# Altium PCB LimeNet-Micro_2v0.PcbDoc (part 8 of 11) (continued)
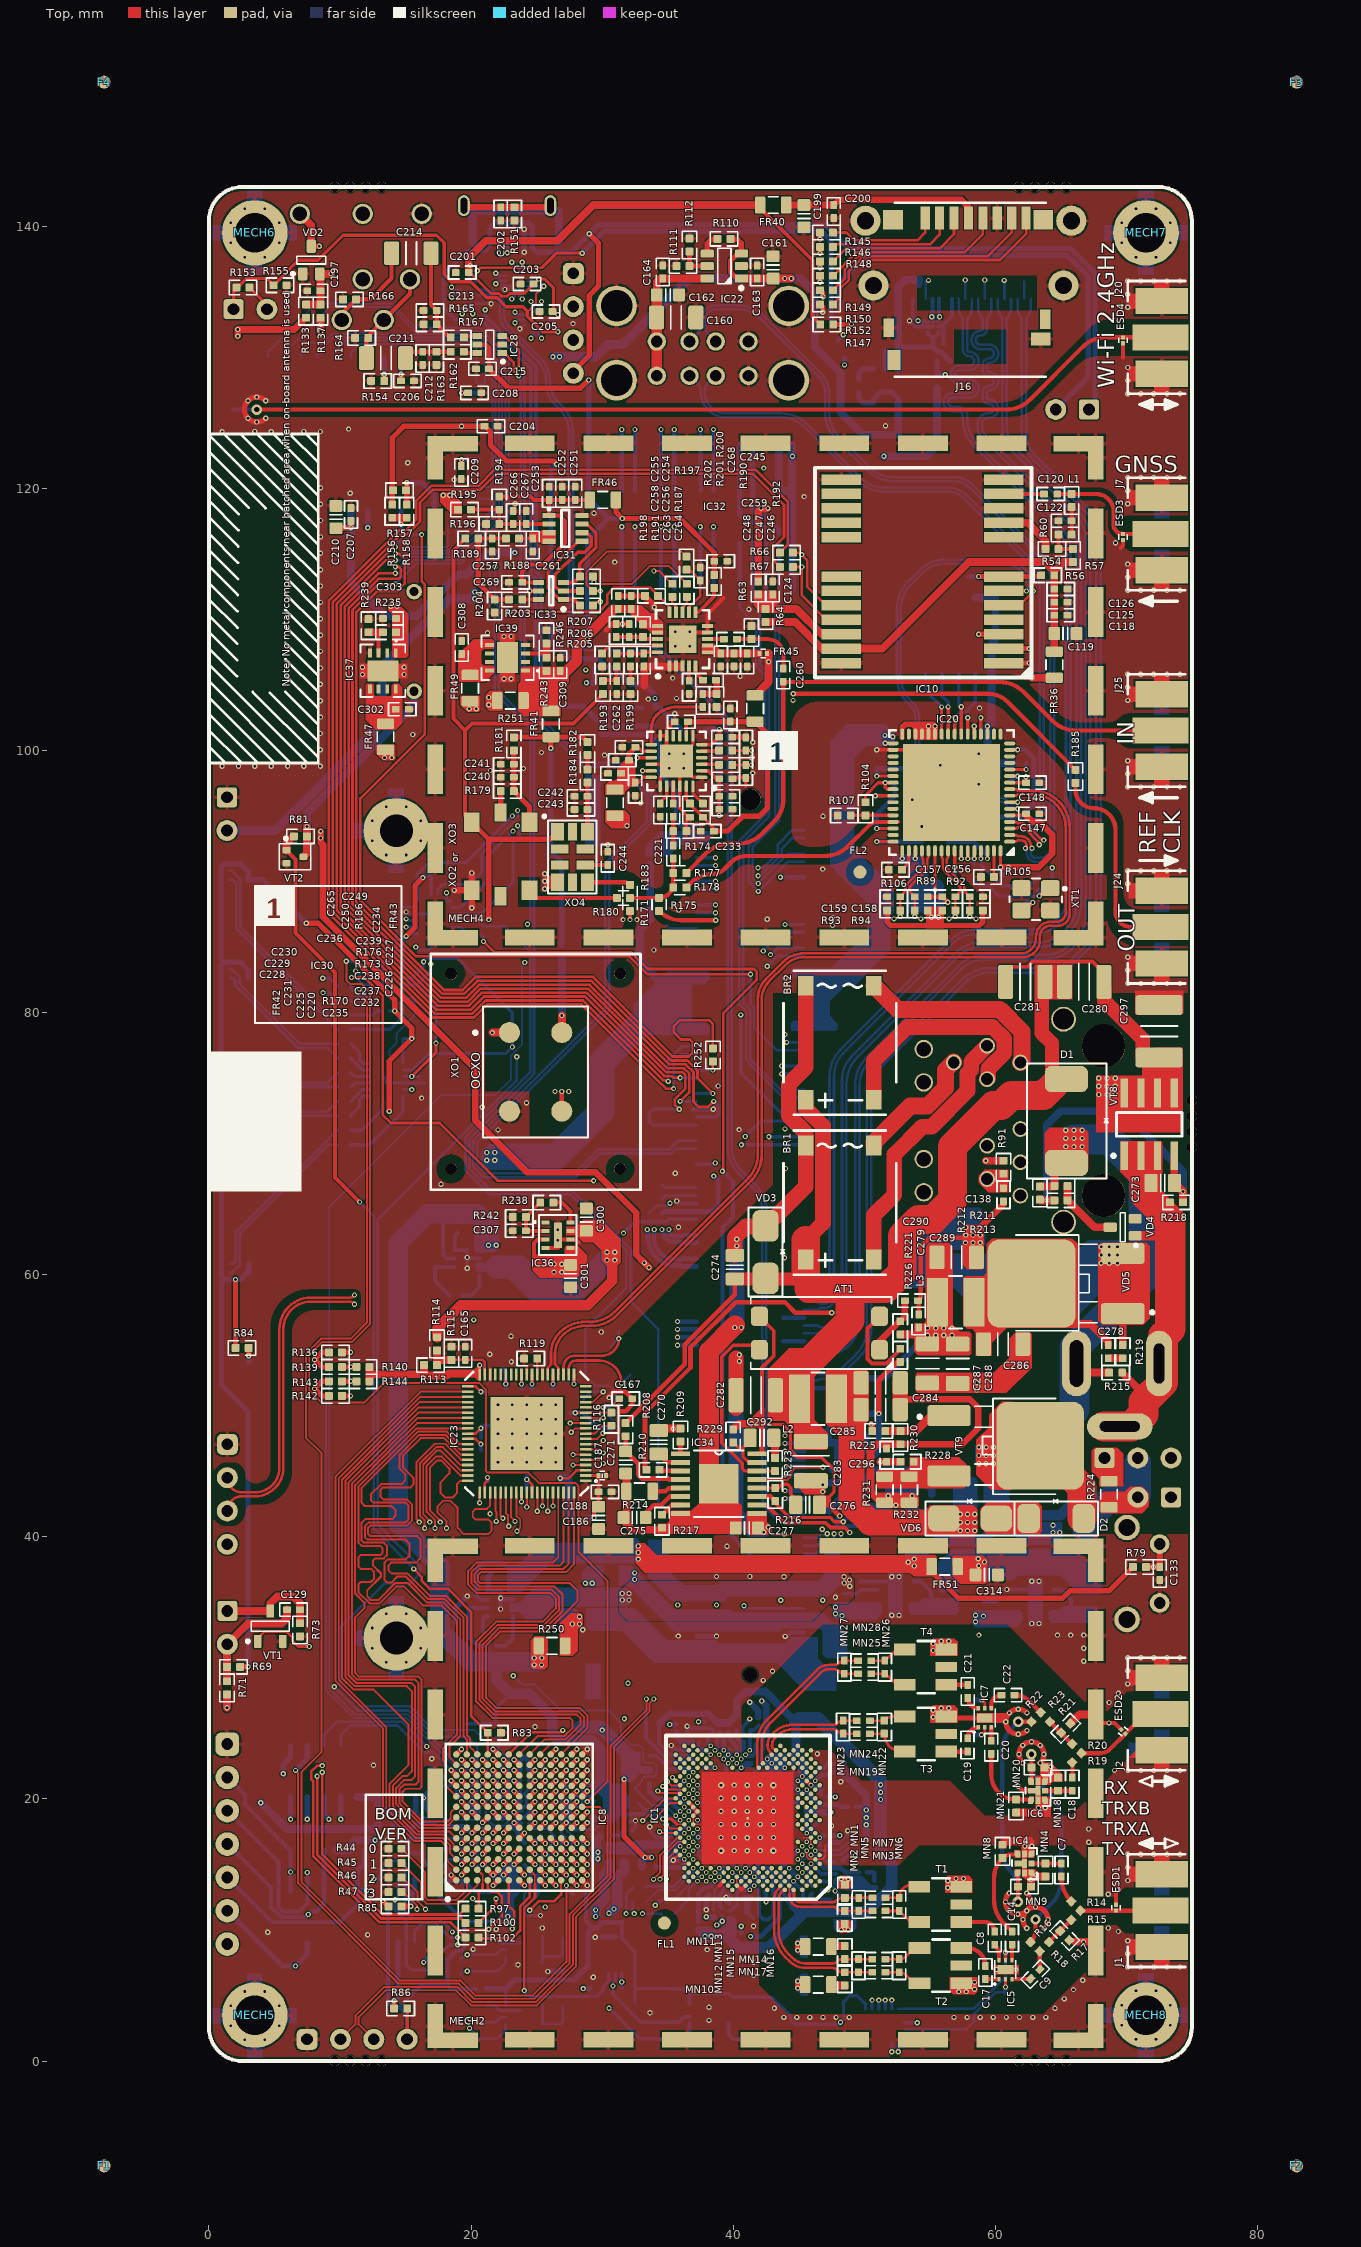
[diagram p0: Top view]
## Nets (pads, with @x,y where several pads share a name; then routed paths per layer and width w, separated by ;. In a path a pad name is that pad's centre, name@x,y a point inside that pad or via, vN(x,y) a via of type N, cw(c..) or ccw(c..) an arc to the next point about the centre after c; other vN are vias at no path point) (continued)
  L4 w0.1: v1(33.375,27.625) 33.375,28.175 40.074,34.874 40.074,40.399 41.775,42.1 44,42.1 44.35,42.45 44.35,48.117 39.475,52.992 39.475,65.55 41.4,67.475 41.4,73.625 v1(43.7,75.925)
  Bottom w0.25: v1(43.7,75.925) J13.51@45.4,75.925
RAPI_UART1_RX: J13.48 R66.1 | length 105.7
  Top w0.2: v1(35.45,74.2) 34.875,74.2 34.525,74.55 34.505,74.55 28.43,80.625 21.223,80.625 20.223,79.625 17.075,79.625 9.15,87.55 9.15,111.45 14.5,116.8 14.984,116.8 15.802,117.618 15.802,119.047 16.955,120.2 20.575,120.2 21.8,121.425 41.714,121.425 44.175,118.964 44.175,115.71 R66.1@43.565,115.1
  Bottom w0.2: v1(35.45,74.2) 35.45,76.25 36.025,76.825 J13.48@37.2,76.825
RAPI_UART1_TX: J13.46 R67.2 | length 105.2
  Top w0.2: v1(35.05,74.75) 34.95,74.85 34.629,74.85 28.554,80.925 21.099,80.925 20.099,79.925 17.199,79.925 9.45,87.674 9.45,111.326 14.624,116.5 15.108,116.5 16.102,117.494 16.102,118.923 17.079,119.9 20.7,119.9 21.925,121.125 41.489,121.125 43.875,118.739 43.875,116.3 43.065,115.49 43.065,114.5 R67.2@43.565,114
  Bottom w0.2: v1(35.05,74.75) 35.05,76.4 36.075,77.425 J13.46@37.2,77.425
RAPI_USB_D_N: IC24.2 J13.167 | length 108
  Bottom w0.2: IC24.2@20.575,134.75 21.009,134.75 ccw(c21.009,134.921) 21.13,134.8 21.325,134.8 cw(c21.325,133.925) 22.2,133.925 22.2,133.19 ccw(c23.564,133.19) 22.599,132.226 25,129.825 cw(c23.25,128.075) 25.725,128.075 ccw(c28.138,128.075) 26.432,126.368 26.728,126.072 cw(c24.932,124.276) 27.472,124.276 27.472,109.128 ccw(c28.95,109.128) 27.536,108.696 ccw(c28.95,109.128) 28.95,107.65 33.123,107.65 cw(c33.123,105.11) 34.568,107.199 cw(c33.123,105.11) 34.919,106.906 38.831,102.994 cw(c37.035,101.198) 39.575,101.198 39.575,69.746 ccw(c42.415,69.746) 40.407,67.738 41.481,66.664 cw(c39.685,64.868) 42.225,64.868 42.225,43.068 ccw(c43.805,43.068) 42.688,41.951 43.045,41.593 ccw(c43.814,42.362) 43.814,41.275 44.15,41.275 44.3,41.125 J13.167@45.4,41.125
RAPI_USB_D_P: IC24.1 J13.165 | length 108
  Bottom w0.2: IC24.1@20.525,135.15 21.009,135.15 cw(c21.009,134.979) 21.13,135.1 21.325,135.1 cw(c21.325,133.925) 22.5,133.925 22.5,133.314 ccw(c23.864,133.314) 22.899,132.35 ; 22.9,132.35 25.212,130.037 cw(c23.25,128.075) 26.025,128.075 ccw(c28.138,128.075) 26.644,126.58 26.94,126.284 cw(c24.932,124.276) 27.772,124.276 27.772,109.128 ccw(c28.95,109.128) 27.825,108.778 ccw(c28.95,109.128) 28.95,107.95 33.123,107.95 cw(c33.123,105.11) 34.667,107.494 cw(c33.123,105.11) 35.131,107.118 39.044,103.205 cw(c37.038,101.199) 39.875,101.199 39.875,69.746 ccw(c42.415,69.746) 40.619,67.95 41.693,66.876 cw(c39.685,64.868) 42.525,64.868 42.525,43.068 ccw(c43.805,43.068) 42.9,42.163 43.17,41.893 ccw(c43.938,42.662) 43.938,41.575 44.15,41.575 44.3,41.725 J13.165@45.4,41.725
RAPI_VBAT: C196.2 J13.197 J13.198 J13.199 J13.200 R129.1 R130.1
RAPI_VCC1P8: C194.2 J13.183 J13.184 J13.185 J13.186 R127.1
RAPI_VCC3P3: C195.2 J13.190 J13.191 J13.192 J13.193 J13.194 R128.1 R133.2 | length 119.8
  Top w0.5: v1(2.2,131.625) v1(2.2,132.125) 6.507,132.125 R133.2@7.407,133.025 ; v1(8.515,93.825) v1(8.515,93.325) 8.515,92.985 8.7,92.8 8.7,87.31 20.3,75.71 20.3,71.807 24.299,67.808 29.517,67.808 32.6,64.725 32.6,61.525 v1(33.225,60.9) v1(33.579,60.546)
  L4 w0.5: v1(2.2,132.125) v1(2.2,131.625) 2.2,131.484 9.065,124.619 9.065,94.375 v1(8.515,93.825) v1(8.515,93.325) ; v1(32.475,36.746) v1(32.475,37.246) 32.075,37.646 32.075,39.924 32.6,40.449 32.6,50.354 33.613,51.367 33.613,60.512 v1(33.579,60.546) v1(33.225,60.9)
RAPI_VDAC: C197.2 J13.189 R133.1 R137.2 VD2.2 | length 198.5
  Top w0.6: R133.1@7.407,134.025 R137.2@8.507,134.025 8.507,136.318 VD2.2@8.45,136.375 v1(9.3,136.375)
  L3 w0.2: v1(40.825,34.736) 39.939,34.736 37.35,37.325 37.35,63.425 44.567,70.642 44.567,90.691 39.525,95.733 39.525,100.022 40.528,101.025 43.3,101.025 49.175,95.15 61.875,95.15 64.575,97.85 64.575,111.975 56.125,120.425 43.45,120.425 v1(42.325,121.55)
  L4 w0.2: v1(9.3,136.375) 11.619,138.694 36.706,138.694 42.325,133.075 v1(42.325,121.55)
  Bottom w0.25: v1(40.825,34.736) 41.036,34.525 J13.189@45.4,34.525
REF_ADF: C250.2 IC30.13 | length 6
  Top w0.254: IC30.13@33.75,100.45 33.75,101.623 cw(c35.414,101.623) 34.122,102.672 cw(c35.699,101.095) 34.689,103.084 cw(c35.699,101.095) 35.699,103.325 C250.2@37.688,103.325
REF_CLK_IN: C260.1 J25.1 R177.2 | length 49.1
  Top w0.325: R177.2@36.425,90.65 37.931,92.156 cw(c39.727,90.36) 39.727,92.9 40.398,92.9 ccw(c40.398,95.44) 42.194,93.644 43.081,94.531 ccw(c41.285,96.327) 43.825,96.327 C260.1@43.825,105.25 ccw(c43.85,105.25) 43.85,105.225 60.348,105.225 cw(c60.348,102.685) 62.144,104.481 64.356,102.269 ccw(c66.152,104.065) 66.152,101.525 J25.1@72.6,101.525
REF_CLK_OUT: IC30.17 R185.2 | length 38.3
  Top w0.25: v1(33.088,98.45) IC30.17@33.75,98.45
  Top w0.325: v1(44.575,104.325) 59.473,104.325 cw(c59.473,102.268) 60.928,103.722 R185.2@66.125,98.525
  L3 w0.1: v1(33.088,98.45) 38.219,103.581 cw(c40.015,101.785) 40.015,104.325 v1(44.575,104.325)
RF_OUT_WIFI: ESD4.1 IC26.31 J20.1 | length 72.8
  Top w0.325: v5(3.65,126.02) 60.843,126.02 ccw(c60.843,128.56) 62.619,126.744 ccw(c60.843,128.56) 62.639,126.764 66.693,130.818 cw(c68.4,129.111) 68.4,131.525 ESD4.1@69.75,131.525 J20.1@72.6,131.525
  Bottom w0.325: IC26.31@1.85,126.02 v5(3.65,126.02)
RFSW_RX_V1: C24.2 IC7.5 IC18.2 | length 32.7
  Top w0.2: v1(58.975,27.55) 59.2,27.325 IC7.5@59.2,26.902
  L4 w0.1: v1(52.6,0.7) 53.875,0.7 55.95,2.775 55.95,19.875 59.5,23.425 59.5,27.025 v1(58.975,27.55)
  Bottom w0.25: v1@52.6,0.625 IC18.2@52.6,1.375
  Bottom w0.4: C24.2@58.475,27.55 v1(58.975,27.55)
RFSW_RX_V2: C23.2 IC7.2 IC18.3 | length 29.7
  Top w0.2: v1(58.95,24.9) 59.2,25.15 IC7.2@59.2,25.452
  L4 w0.1: v1(52.1,0.7) 52.425,1.025 52.43,1.025 52.455,1.05 53.942,1.05 55.75,2.858 55.75,19.958 58.95,23.158 v1(58.95,24.9)
  Bottom w0.25: v1(52.1,0.7) IC18.3@52.1,1.375
  Bottom w0.4: C23.2@58.45,24.9 v1(58.95,24.9)
RFSW_TX_V1: C16.2 IC5.5 IC18.15 | length 11.7
  Top w0.2: IC5.5@60.775,7.7 v1(60.775,8.3)
  Bottom w0.2: IC18.15@52.6,3.975 58.326,3.975 60.775,6.424 C16.2@60.775,7.875
  Bottom w0.4: C16.2@60.775,7.875 v1(60.775,8.3)
RFSW_TX_V2: C15.2 IC5.2 IC18.1 | length 10.2
  Top w0.2: v1(60.775,5.65) IC5.2@60.775,6.25
  Bottom w0.2: IC18.1@53.1,2.425 57.8,2.425 58.375,3 58.375,3.6 60.01,5.235 C15.2@60.775,5.235
  Bottom w0.4: C15.2@60.775,5.235 v1(60.775,5.65)
RX1_H: C21.1 IC7.6 | length 1.3
  Top w0.325: C21.1@57.9,27.7 ccw(c58.698,27.7) IC7.6@58.7,26.902 IC7.6@58.7,26.902
RX1_H_A_N: IC1.AJ15 MN27.1 MN28.2 | length 12.6
  Top w0.2: IC1.AJ15@41.94,22.378 cw(c42.181,22.619) 41.84,22.619 41.84,24.241 cw(c44.38,24.241) 42.584,26.037 46.377,29.83 cw(c47.326,28.881) 47.326,30.223 47.684,30.223 ccw(c47.684,30.842) 48.122,30.404 cw(c48.481,30.045) MN27.1@48.481,30.553 ; MN28.2@49.531,30.553 MN27.1@48.488,30.553 ; MN27.1@48.481,30.553 MN27.1@48.488,30.553 ; MN27.1@48.481,30.553 MN27.1@48.488,30.553
RX1_H_A_P: IC1.AK14 MN25.2 MN27.2 | length 11.8
  Top w0.2: 42.173,23.069 42.173,23.128 ; IC1.AK14@42.273,22.711 cw(c42.514,22.952) 42.173,22.952 42.173,23.128 ; MN25.2@49.531,29.553 48.481,29.553 cw(c48.481,30.061) 48.122,29.702 ccw(c47.684,29.264) 47.684,29.883 47.286,29.883 ccw(c47.286,28.978) 46.646,29.618 44.172,27.144 44.172,27.134 42.829,25.791 ccw(c44.413,24.208) 42.173,24.208 42.173,23.128
RX1_H_B_N: MN26.1 MN28.1 T4.6 | length 2.8
  Top w0.2: MN28.1@50.531,30.553 MN26.1@51.581,30.553 ; MN26.1@51.631,30.553 52.389,31.311 cw(c53.021,30.68) T4.6@53.021,31.573
RX1_H_B_P: MN25.1 MN26.2 T4.4 | length 2.8
  Top w0.2: MN25.1@50.531,29.553 50.931,29.553 MN26.2@51.581,29.553 ; MN26.2@51.631,29.553 52.407,28.777 ccw(c52.996,29.366) T4.4@52.996,28.533
RX1_H_DUP: C20.1 IC6.3 MN21.2 | length 5.7
  Top w0.325: C20.1@59.7,23.439 59.7,21.833 ccw(c61.583,21.833) MN21.2@61.583,19.95 IC6.3@62.758,19.95
RX1_L: C19.1 IC7.1 | length 1.3
  Top w0.325: C19.1@57.881,24.625 57.881,24.633 cw(c58.7,24.633) IC7.1@58.7,25.452
RX1_L_DUP: IC4.3 MN9.2 R22.2 | length 17.7
  Top w0.325: v5(61.725,12.141) MN9.2@61.725,13.3 IC4.3@61.725,14.4 ; v5(61.75,25.89) R22.2@62.759,25.89
  Bottom w0.325: v5(61.725,12.141) 61.725,13.137 ccw(c59.762,13.137) 61.15,14.525 cw(c62.659,16.034) 60.525,16.034 60.525,23.613 cw(c63.065,23.613) 61.269,25.409 v5(61.75,25.89)
RX2_L_A_N: IC1.AM12 MN23.1 MN24.2 | length 8.5
  Top w0.2: IC1.AM12@42.939,23.377 42.904,23.411 cw(c43.062,23.569) 42.839,23.569 42.804,23.605 cw(c43.244,24.046) 42.621,24.046 42.621,24.089 cw(c43.806,24.089) 42.968,24.927 43.096,25.055 cw(c44.527,23.623) 44.527,25.648 47.63,25.648 ccw(c47.63,26.156) 47.989,25.797 ; 48.022,25.829 cw(c48.381,25.47) MN23.1@48.381,25.978 ; MN23.1@48.388,25.978 MN24.2@49.431,25.978
RX2_L_A_P: IC1.AN11 MN19.2 MN23.2 | length 7.7
  Top w0.2: IC1.AN11@43.272,23.71 43.237,23.744 ccw(c43.079,23.586) 43.079,23.81 43.044,23.845 cw(c43.244,24.046) 42.961,24.046 42.961,24.089 cw(c43.806,24.089) 43.208,24.687 43.336,24.814 cw(c44.527,23.623) 44.527,25.308 47.63,25.308 cw(c47.63,24.8) 47.989,25.159 48.022,25.127 ccw(c48.381,25.486) 48.381,24.978 MN23.2@48.388,24.978 MN19.2@49.431,24.978
RX2_L_B_N: MN22.1 MN24.1 T3.6 | length 2.7
  Top w0.2: MN24.1@50.431,25.978 MN22.1@51.531,25.978 cw(c52.303,25.205) 52.303,26.298 T3.6@53.091,26.298
RX2_L_B_P: MN19.1 MN22.2 T3.4 | length 3.4
  Top w0.2: MN19.1@50.431,24.978 MN22.2@51.531,24.978 ; T3.4@53.091,23.608 52.901,23.608 cw(c52.901,24.978) MN22.2@51.531,24.972 ; MN22.2@51.531,24.972 cw(c52.901,24.978) MN22.2@51.531,24.978 ; MN22.2@51.531,24.972 MN22.2@51.531,24.978
RX_OUT: R20.1 R21.1 R23.2 | length 2.4
  Top w0.325: R23.2@64.173,25.89 R21.1@65.019,25.044 R20.1@65.866,24.197
RXPLL_CLK: C227.2 IC1.AM24 R176.1 | length 84.2
  Top w0.254: R176.1@39.925,100 v1(41.4,100)
  L3 w0.1: v2(38.943,23.377) 38.943,28.516 cw(c41.483,28.516) 39.687,30.312 44.556,35.181 ccw(c42.76,36.977) 45.3,36.977 45.3,94.598 ccw(c42.76,94.598) 44.556,96.394 43.994,96.956 ccw(c42.198,95.16) 42.198,97.7 41.25,97.7 cw(c41.25,98.475) 40.475,98.475 40.475,99.282 cw(c41.243,99.282) 40.7,99.825 cw(c41.122,99.403) 41.122,100 v1(41.4,100)
SR0_DOUT: IC11.9 IC13.14 | length 5.9
  Bottom w0.15: IC11.9@13.759,76.725 13.759,77.134 14.3,77.675 14.3,78.375 15.675,79.75 15.675,80.85 15.4,81.125 IC13.14@14.808,81.125
SR1_DOUT: IC13.9 IC15.14 | length 5.9
  Bottom w0.15: IC13.9@13.758,83.725 13.758,84.058 14.325,84.625 14.325,87.575 14.8,88.05 15.875,88.05 IC15.14@15.9,88.025
SR2_DOUT: IC15.9 IC18.14 | length 123
  L4 w0.1: v1(15.775,85) 12.515,85 10.5,82.985 10.5,74.252 7.075,70.827 7.075,29.276 15.2,21.151 15.2,16.117 19.692,11.625 22.408,11.625 23.008,12.225 25.799,12.225 26.025,11.999 26.025,11.764 30.164,7.625 37.908,7.625 39.758,5.775 42.467,5.775 43.667,4.575 46.783,4.575 47.283,4.075 51.525,4.075 v1(52.1,4.65)
  Bottom w0.25: v1(15.775,85) 16.025,84.75 16.75,84.75 16.95,84.95 IC15.9@16.95,85.425 ; IC18.14@52.1,3.975 v1(52.1,4.65)
SR3_DOUT: IC18.9
SR_DIN: IC8.B7 IC11.14 | length 67.3
  Top w0.4: v1(19.272,18.994) IC8.B7@19.672,18.594
  L4 w0.1: v1(15.475,74.125) 10.983,74.125 8.428,71.57 8.428,50.93 7.711,50.213 7.711,32.464 10.55,29.625 10.55,27.251 18.808,18.994 v1(19.272,18.994)
  Bottom w0.25: IC11.14@14.809,74.125 v1(15.475,74.125)
SR_LATCH: IC8.D6 IC11.12 IC13.12 IC15.12 IC18.12 R61.1 | length 150.4
  Top w0.25: v1(15.475,75.125) 17.325,76.975 v1(17.325,77.675)
  Top w0.4: v1(20.872,17.394) IC8.D6@21.272,17.794
  L4 w0.1: v1(15.038,87.15) 16.1,87.15 16.925,86.325 v1(16.925,83.7) ; v1(15.475,75.125) 14.684,74.334 10.909,74.334 7.48,70.905 7.48,32.03 ; v1(20.872,17.394) 20.241,18.025 18.091,18.025 17.575,18.541 17.575,19.908 10.35,27.133 10.35,29.525 7.845,32.03 7.48,32.03 ; v1(51.1,4.65) 50.55,5.2 46.842,5.2 46.617,4.975 43.833,4.975 42.633,6.175 39.924,6.175 38.074,8.025 30.33,8.025 26.425,11.93 26.425,12.164 25.964,12.625 22.842,12.625 22.242,12.025 19.858,12.025 15.6,16.283 15.6,21.317 9.95,26.967 9.95,28.725 7.275,31.4 7.275,31.825 7.48,32.03
  Bottom w0.25: IC13.12@14.808,82.125 15.85,82.125 ; IC11.12@14.809,75.125 v1(15.475,75.125) R61.1@16.1,75.125 ; v1(15.038,87.15) 15.163,87.025 IC15.12@15.9,87.025 ; v1(16.925,83.7) 16.925,83.2 15.85,82.125 ; v1(17.325,77.675) 17.325,80.65 15.85,82.125 ; IC18.12@51.1,3.975 v1(51.1,4.65)
SR_SCLK: IC8.B9 IC11.11 IC13.11 IC15.11 IC18.11 R48.2 | length 161.5
  Top w0.4: v1(19.272,20.594) IC8.B9@19.672,20.194
  L3 w0.1: v1(9.565,28.55) 9.75,28.735 9.75,58.55 10.6,59.4 20.85,59.4 21.942,60.492 21.944,60.492 23.031,61.579 23.031,76.684 23.15,76.803 v1(23.15,77.375)
  L4 w0.1: v1(9.565,28.55) 9.565,27.069 15.4,21.234 15.4,16.2 19.775,11.825 22.325,11.825 22.925,12.425 25.881,12.425 26.225,12.081 26.225,11.847 30.247,7.825 37.991,7.825 39.841,5.975 42.55,5.975 43.75,4.775 46.9,4.775 47.025,4.65 v1(50.6,4.65) ; v1(15.038,86.525) 16.05,86.525 16.625,85.95 16.625,84.125 v1(16.375,83.875)
  Bottom w0.2: v1(9.565,28.55) 11.365,26.75 15.226,26.75 17.232,24.744 R48.2@19.672,24.744 20.472,23.944 20.472,21.228 20.238,20.994 19.672,20.994 v1(19.272,20.594)
  Bottom w0.25: IC13.11@14.808,82.625 15.475,82.625 16.375,83.525 v1(16.375,83.875) 16.625,84.125 19,84.125 23.15,79.975 v1(23.15,77.375) 22.65,76.875 16.8,76.875 15.55,75.625 IC11.11@14.809,75.625 ; v1(15.038,86.525) IC15.11@15.9,86.525 ; IC18.11@50.6,3.975 v1(50.6,4.65)
TCXO_DAC_VREF: C266.2 C267.1 IC31.2 R194.1 R195.1 R196.1 | length 7
  Top w0.3: R195.1@20,118.375 R194.1@22.15,118.375 R196.1@22.15,117.275 C266.2@23.2,117.275 C267.1@24.2,117.275 IC31.2@25.95,117.275
TRX_B3_B2: C18.2 IC6.6 MN18.2 | length 2
  Top w0.325: IC6.6@63.833,20.625 C18.2@65.883,20.625
TRX_B8_B5: C7.2 IC4.6 MN4.2 | length 2.3
  Top w0.325: IC4.6@62.8,15.075 C7.2@65.05,15.075
TX1_1: C8.1 IC5.6 | length 1.3
  Top w0.325: C8.1@59.95,8.875 cw(c59.165,8.09) 60.275,8.09 IC5.6@60.275,7.7
TX1_1_A_N: IC1.A7 MN1.1 MN5.1 MN7.2 | length 6.8
  Top w0.2: IC1.A7@44.604,13.004 44.638,12.97 44.638,12.578 ccw(c45.097,12.578) 45.097,12.119 47.571,12.119 ccw(c47.571,12.627) 47.93,12.268 47.962,12.3 cw(c48.321,11.941) 48.321,12.449 MN1.1@48.511,12.449 ; IC1.A7@44.604,13.054 IC1.A7@44.639,13.019 ; MN1.1@48.518,12.449 MN5.1@49.576,12.449 MN7.2@50.626,12.449
TX1_1_A_P: IC1.B8 MN2.1 MN3.1 MN5.2 | length 7.6
  Top w0.11: 44.271,12.819 44.271,13.031 IC1.B8@44.271,13.387
  Top w0.2: 44.295,12.783 44.295,12.578 ccw(c45.094,12.578) 45.094,11.779 47.571,11.779 cw(c47.571,11.271) 47.93,11.63 47.962,11.598 ccw(c48.321,11.957) 48.321,11.449 MN2.1@48.511,11.449 ; MN2.1@48.526,11.449 48.926,11.449 MN5.2@49.576,11.449 MN3.1@50.626,11.449
TX1_1_B_N: MN6.2 MN7.1 T1.6 | length 2.7
  Top w0.2: MN7.1@51.626,12.449 MN6.2@52.676,12.449 cw(c53.696,12.449) T1.6@53.696,13.469
TX1_1_B_P: MN3.2 MN6.1 T1.4 | length 2.8
  Top w0.2: MN3.2@51.626,11.449 MN6.1@52.676,11.449 53.452,10.673 ccw(c54.041,11.262) T1.4@54.041,10.429
TX1_1_DUP: IC6.1 MN20.2 R16.2 | length 18
  Top w0.325: R16.2@62.686,9.075 ccw(c61.762,9.999) 63.068,9.999 v5(63.068,10.797) ; IC6.1@62.758,21.3 MN20.2@62.758,22.4 v5(62.758,23.408)
  Bottom w0.325: v5(62.758,23.408) 62.758,22.794 ccw(c65.298,22.794) 63.502,20.998 64.281,20.219 cw(c62.485,18.423) 65.025,18.423 65.025,13.806 cw(c62.485,13.806) 64.281,12.01 v5(63.068,10.797)
TX1_2: C17.1 IC5.1 | length 1
  Top w0.325: C17.1@59.25,6.25 IC5.1@60.225,6.25
TX1_2_DUP: C14.1 IC4.1 MN8.2 | length 7.5
  Top w0.325: C14.1@61.277,9.875 60.644,10.508 cw(c62.44,12.304) 59.9,12.304 59.9,13.931 cw(c62.119,13.931) 60.527,15.477 cw(c62.119,13.931) MN8.2@60.55,15.5 cw(c61.154,14.896) 61.154,15.75 IC4.1@61.725,15.75
TX2_1_A_N: IC1.B10 MN12.1 MN15.2 MN17.1 | length 12.8
  Top w0.2: IC1.B10@43.605,13.387 43.57,13.352 ccw(c43.728,13.194) 43.505,13.194 43.47,13.159 ccw(c44.284,12.344) 43.132,12.344 43.132,9.944 ccw(c45.947,9.944) 43.957,7.953 44.297,7.613 ccw(c45.526,8.841) 45.526,7.104 47.571,7.104 cw(c47.571,6.596) 47.93,6.955 47.962,6.923 ccw(c48.321,7.282) 48.321,6.774 MN12.1@48.511,6.774 MN15.2@49.561,6.774 MN17.1@50.611,6.774
TX2_1_A_P: IC1.A9 MN13.1 MN14.2 MN15.1 | length 12
  Top w0.2: IC1.A9@43.938,13.054 43.903,13.019 cw(c43.745,13.177) 43.745,12.954 43.71,12.918 ccw(c44.284,12.344) 43.472,12.344 43.472,9.944 ccw(c45.947,9.944) 44.197,8.194 44.538,7.853 ccw(c45.526,8.841) 45.526,7.444 47.571,7.444 ccw(c47.571,7.952) 47.93,7.593 47.962,7.625 cw(c48.321,7.266) 48.321,7.774 MN13.1@48.511,7.774 48.911,7.774 MN15.1@49.561,7.774 MN14.2@50.611,7.774
TX2_1_B_N: MN16.1 MN17.2 T2.4 | length 2.9
  Top w0.2: MN17.2@51.611,6.774 52.011,6.774 MN16.1@52.661,6.774 cw(c52.661,6.033) 53.185,6.557 53.524,6.217 ccw(c54.221,6.914) T2.4@54.221,5.929
TX2_1_B_P: MN14.1 MN16.2 T2.6 | length 2.9
  Top w0.2: MN14.1@51.611,7.774 MN16.2@52.661,7.774 ccw(c52.661,8.514) 53.185,7.991 53.524,8.33 cw(c54.221,7.633) T2.6@54.221,8.619
TX_OUT: R15.1 R17.1 R18.2 | length 2.4
  Top w0.325: R18.2@64.1,9.075 R17.1@64.946,9.921 R15.1@65.793,10.768
TXPLL_CLK: C226.2 IC1.E5 R173.1 | length 91
  Top w0.254: R173.1@39.925,98.9 v1@41.388,98.9
  L3 w0.1: v1(41.4,98.9) 42.748,98.9 cw(c42.748,96.36) 44.544,98.156 45.481,97.219 cw(c43.685,95.423) 46.225,95.423 46.225,26.216 ccw(c47.591,26.216) 46.625,25.25 cw(c45.84,24.465) 46.95,24.465 46.95,20.418 cw(c46.182,20.418) 46.725,19.875 ccw(c47.087,19.513) 46.575,19.513 46.575,18.878 ccw(c48.182,18.878) 47.046,17.742 cw(c46.251,16.947) 47.136,17.64 cw(c46.251,16.947) 47.375,16.947 47.375,16.2 cw(c45.561,16.2) 45.561,14.386 v2(45.27,14.386)
USB_BOOT: J14.2 R131.2 R132.2 R135.1 VT3.G VT5.G | length 133.4
  L3 w0.3: v1(21.075,133.625) 21.075,133.2 20.375,132.5 19.175,132.5 18.6,133.075 18.6,133.7 19.1,134.2 19.1,137.075 20.875,138.85 35.875,138.85 43.65,131.075 59.555,131.075 J14.2@64.61,126.02
  Bottom w0.3: v1(21.075,133.625) 21.075,133.141 24.95,129.266 24.95,113.664 25.325,113.289 25.325,104.55 R132.2@26.5,103.375
  Bottom w0.4: R132.2@26.5,103.375 27.925,103.375 28.548,103.375 VT3.G@29.415,102.508 30.055,101.868 R131.2@33.768,101.868 ; R131.2@33.768,101.818 R131.2@33.875,101.925 ; VT5.G@48.003,133.803 48.003,135.628 50.175,137.8 65.475,137.8 67.1,136.175 67.1,128.51 J14.2@64.61,126.02
VCC1P4_LMS: C311.2 FR29.2 FR30.2 FR31.2 FR32.2 FR33.2 FR34.2 IC40.1 R32.1 R244.1 | length 58.6
  L3 w1.1: 39.05,10.35 40.875,8.525 42.4,8.525 45.1,11.225 47.85,11.225 50.8,14.175 50.8,17.075
  L4 w0.8: 30.725,11.325 31.775,10.275 38.762,10.275 v1@39.081,10.594
  L5 w0.5: v1(41.266,27.369) 41.266,27.059 42.25,26.075 45.725,26.075 50.15,21.65 v1(50.15,19.15) v1(50.15,18.575) v1(50.15,18.025)
  Bottom w0.3: R244.1@59.088,34.036 59.137,33.987 59.538,33.586 C311.2@60.163,33.586 60.602,34.025 IC40.1@61.683,34.025
  Bottom w0.35: v1(39.156,10.669) FR34.2@39.156,11.048 ; FR31.2@49.342,19.413 50.112,19.413 50.15,19.375
  Bottom w0.4: v1(38.75,10.375) 38.862,10.375 v1(39.156,10.669)
  Bottom w0.5: v1(41.266,27.369) 41.9,26.735 FR30.2@41.9,26.225
  Bottom w0.6: FR33.2@48.381,22.725 48.381,22.035 50.15,20.265 50.15,19.375 50.15,16.825
  Bottom w0.8: v1@30.65,11.425 31.15,11.925 31.15,14.002 31.697,14.549 R32.1@31.697,15.094
  other v1: 30.525,11.275 30.9,11.6 58.488,33.511 59.1,33.95 58.488,34.011
VCC1P8: C105.2 C106.1 C107.1 C108.1 C204.2 C313.2 FR44.1 FR51.1 IC8.F2 IC8.G3 IC26.17 IC41.3 IC41.5 J3.6 J4.4 R36.2 R38.2 R39.1 R53.2 R79.1 R127.2 R134.1 R141.1 R156.1 R157.1 R161.1 | length 198.1
  Top w0.4: R156.1@13.985,118.76 13.985,123.86 14.875,124.75 v1(19.265,124.75) C204.2@21.02,124.75 21.475,124.295 21.475,123.325 22.7,122.1 26.275,122.1 v1(26.525,121.85) ; v1(22.472,14.194) IC8.F2@22.872,14.594 ; v1(23.272,14.994) IC8.G3@23.672,15.394 ; FR51.1@55.025,37.475 57.19,35.31 65.135,35.31 65.7,35.875 68.675,35.875 R79.1@70.5,37.7
  L3 w0.4: v1(6.6,7.25) 6.925,6.925 17.175,6.925 17.6,7.35 ; v1(22.8,11.025) 22.8,10.6 18.025,10.6 17.6,10.175 17.6,7.35 ; v1(28.55,5.525) 28.1,5.975 18.975,5.975 17.6,7.35
  L4 w0.5: v1(32.75,38.3) v1(32.75,38.8) v1(32.75,39.3) 33.979,40.529 33.979,50.479 36.5,53 36.5,63.925 35.15,65.275 35.15,66.3 36.5,67.65 36.5,77.725 34.525,79.7 34.525,103.525 v1@34.075,103.975
  Bottom w0.2: R161.1@33.575,64.675 34.15,65.25 34.975,65.25 v1(35.175,65.45)
  Bottom w0.3: IC41.3@21.3,35.225 20.7,35.225 20.425,35.5 20.425,37.5 20.95,38.025 22.375,38.025 C313.2@23.225,37.175
  Bottom w0.35: R39.1@17.872,13.794 17.947,13.719 19.481,13.719 20.3,12.9 22.175,12.9 C105.2@22.575,12.5
  Bottom w0.4: J3.6@1.4,11.464 5.614,7.25 v1(6.6,7.25) 7.5,8.15 J4.4@7.5,8.978 ; v1(19.265,124.75) IC26.17@20.55,124.75 ; v1(26.525,121.85) 26.1,121.425 26.1,108.425 27.525,107 29.725,107 R141.1@30.4,106.325 30.875,106.325 32.15,105.05 33.225,105.05 34.035,104.24 v1(34.035,103.975) R134.1@34.035,103.235 34.395,103.235 35.952,101.678 FR44.1@35.952,101.6 FR44.1@35.952,101.525 ; v1(28.55,5.525) R53.2@29.075,5.525 ; 54.55,38.3 54.55,38.55
  Bottom w0.6: R36.2@9.725,16.094 R38.2@10.825,16.094 10.825,16.535 11.14,16.85 v1(12.675,16.85)
  Bottom w1: 22.775,10.825 22.775,12.547 23.272,13.044 23.272,13.844 22.947,14.169
  other v1: 22.8,10.53 53.825,37.775 53.35,38.05 53.825,38.3
VCC1P8_LMS: C3.1 C4.2 C5.1 C6.2 C10.2 C11.1 C12.1 C13.2 C314.2 FR2.2 FR3.1 FR4.1 FR5.2 FR6.2 FR7.2 FR8.2 FR9.2 FR48.1 FR50.1 FR51.2 MN1.2 MN2.2 MN10.2 MN11.2 R24.2 R30.2 R31.1 | length 65.7
  L5 w0.4: v1(47.786,20.153) 49.231,18.708 49.231,17.544 49.775,17 48.347,17 v1(48.135,17.212)
  L5 w0.5: v1(35.15,25.675) 37.575,28.1 41.55,28.1 v1(42.175,27.475) ; v1(37.937,10.999) 38.374,10.999 38.725,11.35 39.55,11.35 39.975,10.925 39.975,9.925 40.4,9.5 v1(41.325,9.5)
  L5 w0.7: v1(41.325,9.5) 42.525,9.5 43.564,8.461 v1(44.933,8.461)
  L5 w0.8: v1(42.175,27.475) 42.7,27.475 44.975,29.75 46.575,29.75 51.875,35.05 56.7,35.05 ; v1(48.254,13.904) 53.804,13.904 ; 49.775,17 53.175,17
  Bottom w0.3: FR6.2@41.552,21.894 42.172,22.514 42.172,23.678 42.275,23.781 42.275,24.825 ; FR5.2@41.707,24.729 42.179,24.729
  Bottom w0.35: FR7.2@42.461,14.703 42.706,14.703 43.066,14.343 FR9.2@43.066,12.683
  Bottom w0.4: v1(35.15,25.675) 35.154,25.679 R31.1@35.682,25.679 ; v1@37.937,10.974 R24.2@38.562,10.974 ; v1(41.325,9.5) 42.1,9.5 43.531,10.931 43.531,12.397 43.089,12.839 ; FR4.1@47.236,20.153 FR4.1@47.261,20.153 v1(47.786,20.153) ; FR3.1@47.61,17.212 v1(48.135,17.212)
  Bottom w0.5: v1(42.175,27.475) 42.506,27.144 42.506,25.056 42.275,24.825
  other v1: 44.933,5.561 44.933,6.09 44.933,8.99 48.247,9.994 48.775,9.994 48.782,13.904 58.725,37.8 59.175,38.075 58.7,38.325
VCC1P25_LMS: C305.2 FR12.2 FR13.2 FR14.2 FR15.2 FR16.2 FR17.2 FR18.2 FR19.2 FR20.2 FR21.2 FR22.2 FR23.2 FR24.2 FR25.2 FR26.2 FR27.2 FR28.2 IC38.1 R33.1 R236.2 | length 106.8
  L3 w0.4: v1(47.456,18.978) 47.753,18.978 49.1,20.325 49.325,20.325 ; v1(49.325,15.7) 49.325,20.125
  L4 w0.35: 29.5,11.325 30.3,12.125 33.05,12.125 33.45,12.525 35.325,12.525 35.82,12.03 39.68,12.03 39.95,12.3 41.675,12.3 42.3,12.925 42.3,14.475 41.3,15.475 38.575,15.475 37.666,16.384 v2(37.278,16.384)
  L4 w0.8: 29.5,11.325 29.5,10.775 30.925,9.35 v1@38.25,9.35
  Bottom w0.2: FR22.2@38.943,25.645 FR22.2@38.956,25.633
  Bottom w0.25: v2@37.381,16.328 37.381,15.702 FR25.2@37.94,15.142
  Bottom w0.3: 34.347,25.719 34.347,24.208 35.236,23.319 36.509,23.319 36.594,23.234 36.601,23.234 36.747,23.088 36.747,23.082 FR24.2@37.026,22.803 ; R236.2@48.405,34.654 48.855,34.204 C305.2@49.48,34.204 49.919,34.643 IC38.1@51,34.643 ; 48.481,15.403 48.778,15.7 v1(49.325,15.7)
  Bottom w0.35: FR15.2@43.656,14.348 43.656,12.944 44.006,12.594 44.006,12.369 44.311,12.064 FR28.2@44.522,12.064
  Bottom w0.4: FR16.2@48.339,15.261 FR16.2@48.431,15.353
  Bottom w0.45: FR18.2@44.581,22.633 44.581,23.453 44.781,23.653 ; 44.889,23.679 FR19.2@45.172,23.679
  Bottom w0.5: 34.347,25.719 35.128,26.5 38.114,26.5 FR22.2@38.81,25.804 ; FR28.2@44.522,11.989 44.522,11.769 44.822,11.469 ; FR17.2@45.606,19.083 46.311,19.083 46.416,18.978 v1(47.456,18.978)
  Bottom w0.6: FR22.2@38.81,25.804 39.654,25.804 40.272,26.422 40.272,27.519 40.947,28.194 42.456,28.194 44.781,25.869
  Bottom w0.7: 44.781,23.778 44.781,25.869 44.781,25.919
  Bottom w0.8: v1@29.5,11.225 29.5,11.675 30.15,12.325 30.15,14.275 30.597,14.722 R33.1@30.597,15.094
  Bottom w0.85: 39.55,9.5 40.4,8.65 42.725,8.65 45.473,11.398 50.198,11.398 52.1,13.3 52.1,15.025 51.25,15.875
  Bottom w1: 44.781,25.869 45.037,26.125 46.5,26.125 51.25,21.375 v1(51.25,21.075) v1(51.25,20.5) v1(51.25,19.95) 51.25,15.875
  other v1: 37.85,9.525 38.325,9.525 29.5,11.025 29.5,11.525 48.3,33.975 47.805,34.129 47.805,34.629
VCC2P5: C303.2 IC37.1 R137.1 R195.2 R235.2 | length 30.6
  Top w0.6: v1@8.507,131.95 R137.1@8.507,133.025
  L3 w1: v1@8.515,132.3 v1(8.515,131.95) 8.515,131.36 11.65,128.225 11.65,121.225 14.375,118.5 ; v1(14.35,111) v1(13.875,111) 13.05,111.825 13.05,117.175 14.375,118.5 ; v1(18.377,119.475) v1(17.875,119.475) 17.375,119.475 16.4,118.5 14.375,118.5
  other v1: 8.515,132.475
VCC3P0_BATT: J6.2 R63.2 | length 64.7
  Top w0.6: R63.2@41.915,112.9 41.915,118.265 v1(42.125,118.475) v1@42.552,118.475
  L3 w0.7: v1(20.275,111.575) v1(20.275,112.1) 20.275,114.225 27.55,121.5 39.113,121.5 42.138,118.475 v1(42.65,118.475)
  Bottom w0.7: J6.2@1.375,93.888 5.038,93.888 13.225,102.075 13.225,106.435 18.365,111.575 v1(20.275,111.575) v1(20.275,112.1)